# Allegro board F429_PACK_V10A.brd
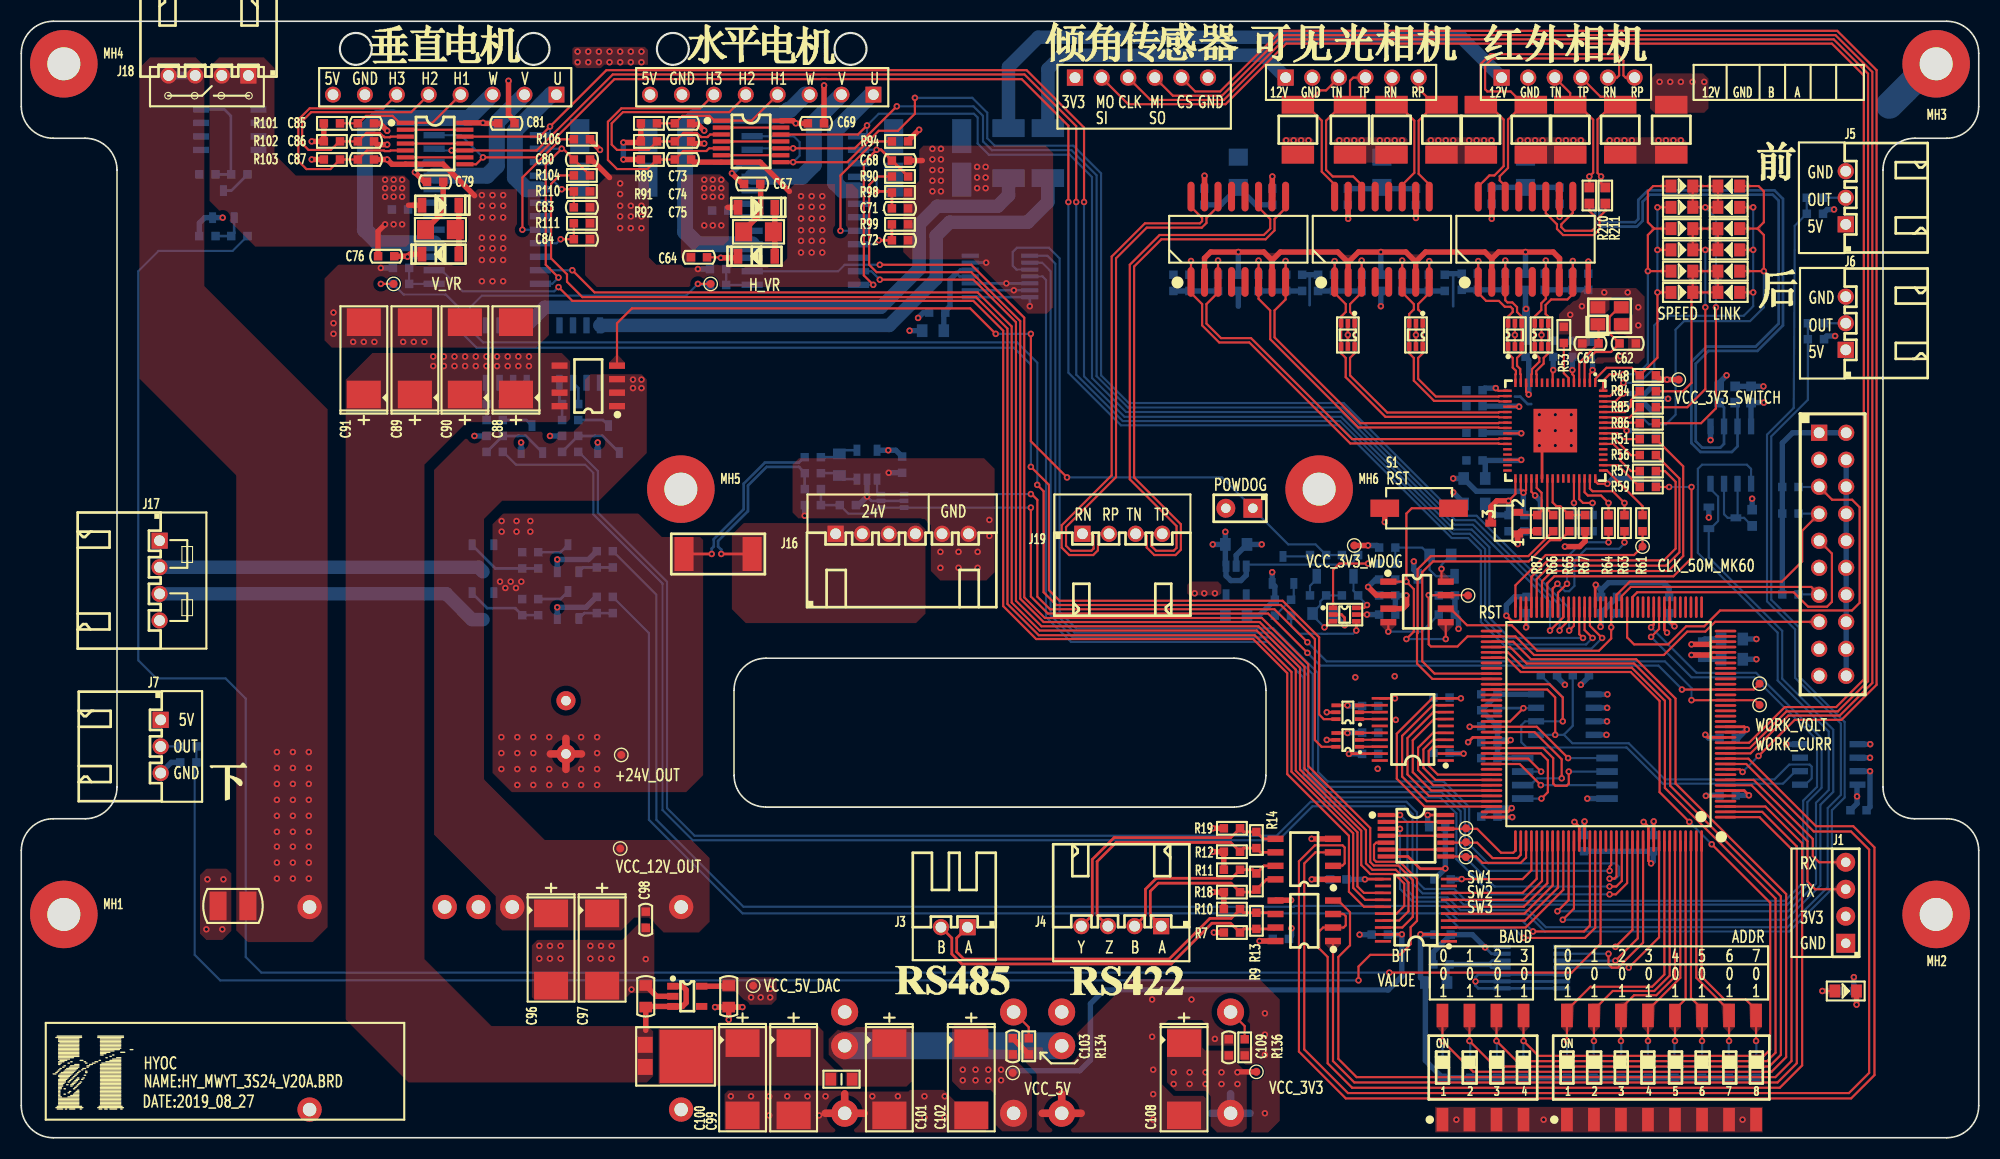
[diagram p0: board, top side]
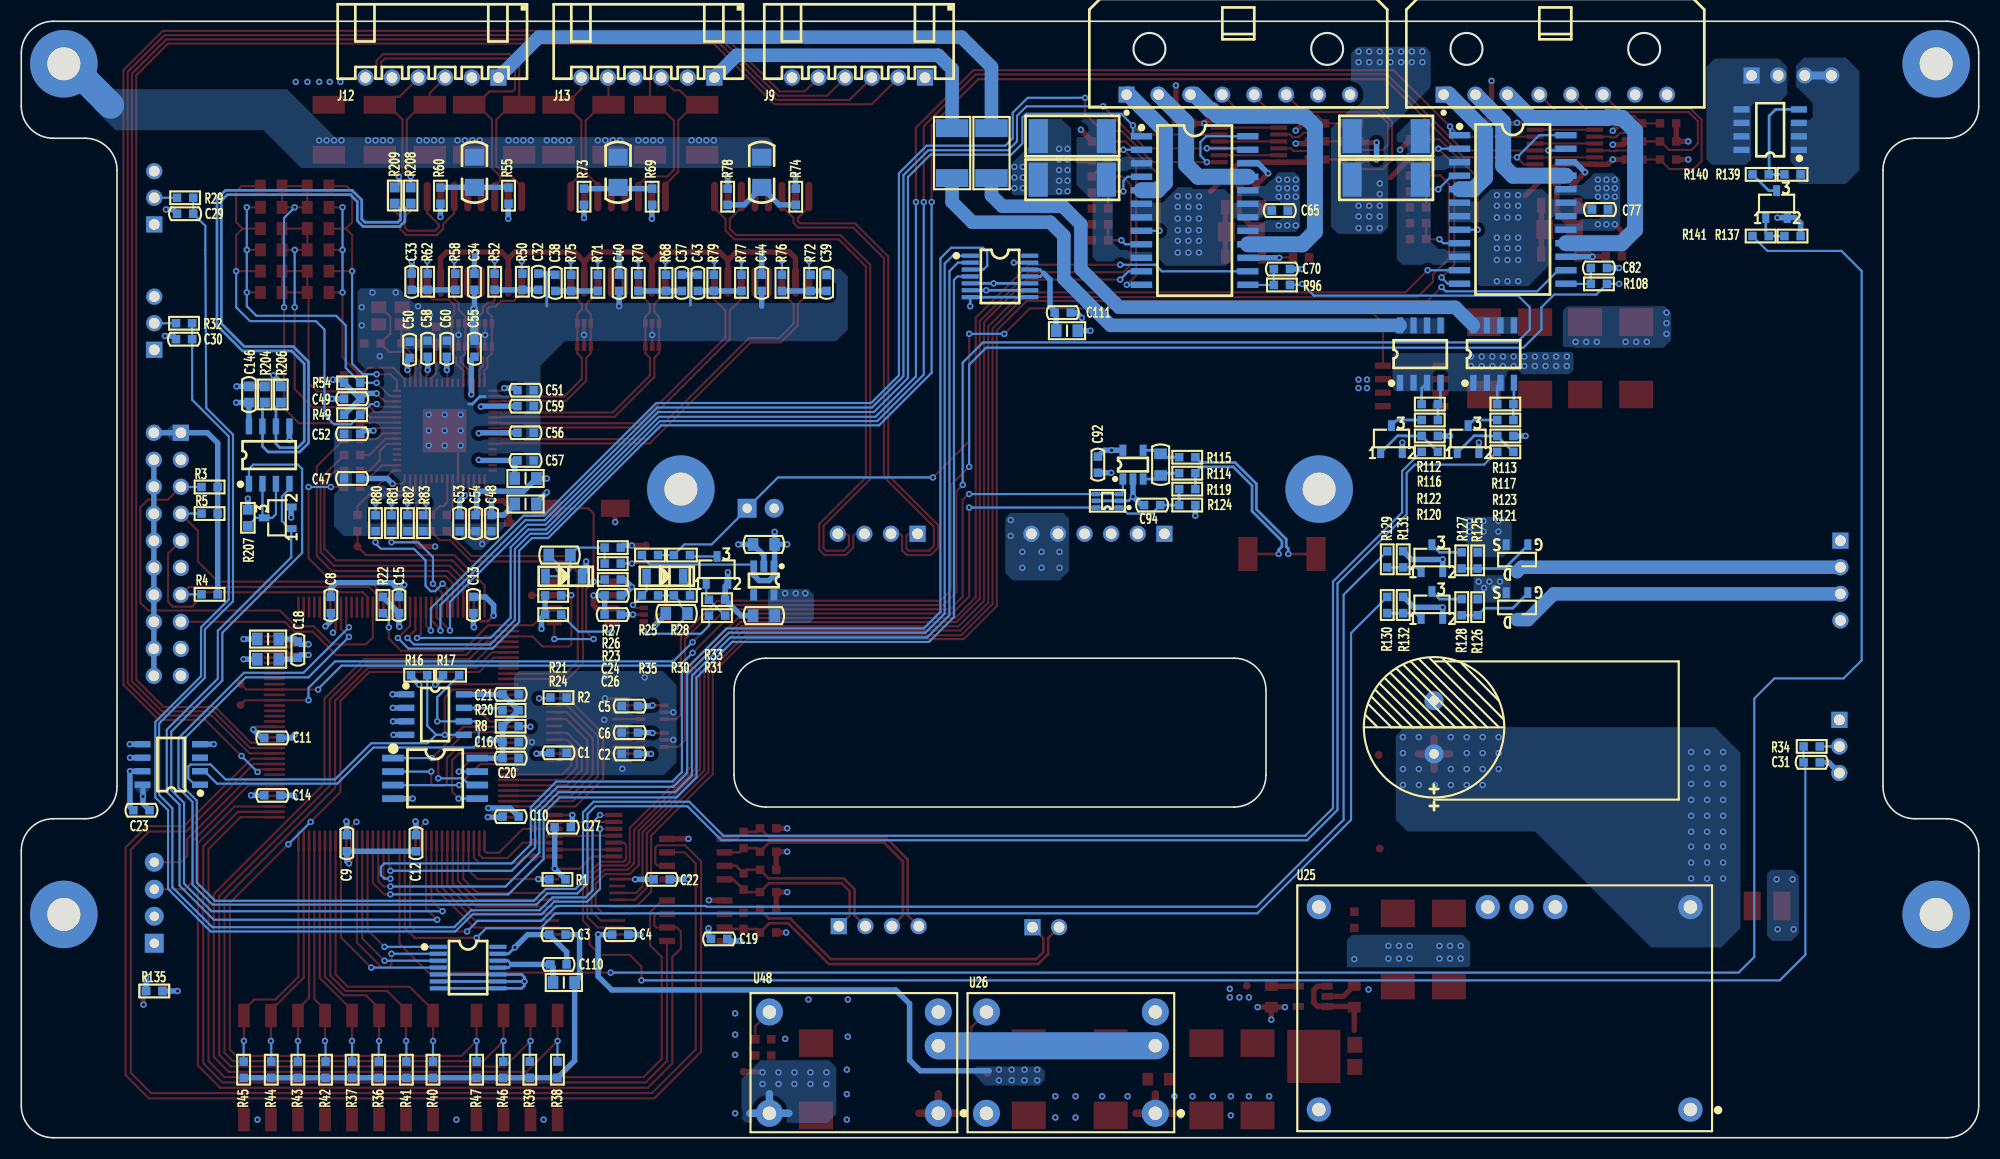
[diagram p1: board, bottom side, seen from below]

Outline 184 x 105 mm; copper layers: TOP, L02-GND, L03-VCC, BOTTOM. Coordinates in mm from the lower left corner of the outline.
Outline path: 0,102 0,97 arc(0.88,94.88) 3,94 6,94 arc(8.12,93.12) 9,91 9,33 arc(8.12,30.88) 6,30 3,30 arc(0.88,29.12) 0,27 0,3 arc(0.88,0.88) 3,0 181,0 arc(183.12,0.88) 184,3 184,27 arc(183.12,29.12) 181,30 178,30 arc(175.88,30.88) 175,33 175,91 arc(175.88,93.12) 178,94 181,94 arc(183.12,94.88) 184,97 184,102 arc(183.12,104.12) 181,105 3,105 arc(0.88,104.12) 0,102 ; 67,42.1 67,34.1 arc(67.88,31.98) 70,31.1 114,31.1 arc(116.12,31.98) 117,34.1 117,42.1 arc(116.12,44.22) 114,45.1 70,45.1 arc(67.88,44.22) 67,42.1

## Design rules (mm)
constraint set DEFAULT: min track width 0.203, pair gap 0.203
net group DIFFPAIR0: nets TXN3_A TXP3_A
net group DP1: nets TXN3 TXP3
net group DP2: nets RS422_A RS422_B
net group DP3: nets RXN1 RXP1
net group DP4: nets PHOTO_RXN PHOTO_RXP
net group DP5: nets TXN2 TXP2
net group DP6: nets FARIR_TXN FARIR_TXP
net group DP7: nets RXN3 RXP3
net group DP8: nets T_RXN T_RXP
net group DP9: nets TXN1 TXP1
net group DP10: nets PHOTO_TXN PHOTO_TXP
net group DP11: nets RXN2 RXP2
net group DP12: nets FARIR_RXN FARIR_RXP
net group DP13: nets RS422_Y RS422_Z
net group DP14: nets T_TXN T_TXP
net group DP15: nets RS485_A RS485_B

## Placement (name value [footprint] x y rotation side)
C1  0.1uF_50V  [C0603]  133.5 36.2 0 bottom
C2  0.1uF_50V  [C0603]  126.8 36.1 180 bottom
C3  0.1uF_50V  [C0603]  133.6 19.1 180 bottom
C4  0.1uF_50V  [C0603]  127.7 19.1 0 bottom
C5  0.1uF_50V  [C0603]  126.8 40.6 180 bottom
C6  0.1uF_50V  [C0603]  126.8 38.1 180 bottom
C8  0.1uF_50V  [C0603]  154.9 50.1 270 bottom
C9  0.1uF_50V  [C0603]  153.4 27.7 90 bottom
C10  0.1uF_50V  [C0603]  138 30.2 0 bottom
C11  0.1uF_50V  [C0603]  160.4 37.6 180 bottom
C12  0.1uF_50V  [C0603]  146.9 27.7 90 bottom
C13  0.1uF_50V  [C0603]  141.5 50.1 270 bottom
C14  0.1uF_50V  [C0603]  160.4 32.2 180 bottom
C15  0.1uF_50V  [C0603]  148.5 50.1 270 bottom
C16  0.1uF_50V  [C0603]  138 37.2 0 bottom
C18  0.1uF_50V  [C0603]  158 45.9 90 bottom
C19  0.1uF_50V  [C0603]  118.4 18.7 180 bottom
C20  0.1uF_50V  [C0603]  138 35.7 0 bottom
C21  0.1uF_50V  [C0603]  138 41.7 0 bottom
C22  0.1uF_50V  [C0603]  123.8 24.3 180 bottom
C23  0.1uF_50V  [C0603]  172.7 30.8 0 bottom
C24  0.1uF_50V  [C0603]  128.4 51 180 bottom
C25  10uF_25V  [C0805]  133.4 54.8 180 bottom
C26  0.1uF_50V  [C0603]  128.4 49.2 0 bottom
C27  0.1uF_50V  [C0603]  133.1 29.2 0 bottom
C28  10uF_25V  [C0805]  122.4 49.3 0 bottom
C29  0.1uF_50V  [C0603]  168.6 86.9 0 bottom
C30  0.1uF_50V  [C0603]  168.7 75.1 0 bottom
C31  0.1uF_50V  [C0603]  15.7 35.3 180 bottom
C32  0.1uF_50V  [C0603]  135.4 80.5 90 bottom
C33  0.1uF_50V  [C0603]  147.3 80.5 90 bottom
C34  0.1uF_50V  [C0603]  141.4 80.5 90 bottom
C36  1nF_2000V  [C1206]  141.4 90.8 270 bottom
C37  0.1uF_50V  [C0603]  121.9 80.4 90 bottom
C38  0.1uF_50V  [C0603]  133.8 80.4 90 bottom
C39  0.1uF_50V  [C0603]  108.3 80.4 90 bottom
C40  0.1uF_50V  [C0603]  127.8 80.4 90 bottom
C42  1nF_2000V  [C1206]  127.9 90.8 270 bottom
C43  0.1uF_50V  [C0603]  120.4 80.4 90 bottom
C44  0.1uF_50V  [C0603]  114.4 80.4 90 bottom
C46  1nF_2000V  [C1206]  114.4 90.8 270 bottom
C47  0.1uF_50V  [C0603]  152.9 62 180 bottom
C48  0.1uF_50V  [C0603]  139.8 57.8 90 bottom
C49  0.1uF_50V  [C0603]  152.9 69.5 180 bottom
C50  0.1uF_50V  [C0603]  147.5 74.1 270 bottom
C51  0.1uF_50V  [C0603]  136.6 70.3 0 bottom
C52  0.1uF_50V  [C0603]  152.9 66.2 180 bottom
C53  0.1uF_50V  [C0603]  142.8 57.8 90 bottom
C54  0.1uF_50V  [C0603]  141.3 57.8 90 bottom
C55  0.1uF_50V  [C0603]  141.4 74.2 270 bottom
C56  0.1uF_50V  [C0603]  136.6 66.3 0 bottom
C57  0.1uF_50V  [C0603]  136.6 63.7 0 bottom
C58  0.1uF_50V  [C0603]  145.8 74.2 270 bottom
C59  0.1uF_50V  [C0603]  136.6 68.8 0 bottom
C60  0.1uF_50V  [C0603]  144 74.2 270 bottom
C61  20pF_50V  [C0603]  147.5 74.7 0 top
C62  20pF_50V  [C0603]  151 74.7 180 top
C64  220nF_50V  [C0603]  63.7 82.8 180 top
C65  0.1uF_50V  [C0603]  65.7 87.2 0 bottom
C66  1000uF_50V  [CAP-5R0-13X27]  51.2 38.6 90 bottom
C67  10nF_50V  [C0603]  68.7 89.7 180 top
C68  10nF_50V  [C0603]  82.6 91.9 0 top
C69  0.1uF_50V  [C0603]  74.7 95.4 180 top
C70  0.1uF_50V  [C0603]  65.5 81.7 180 bottom
C71  1nF_50V  [C0603]  82.6 87.4 0 top
C72  10nF_50V  [C0603]  82.6 84.4 0 top
C73  0.1uF_50V  [C0603]  62.2 95.4 0 top
C74  0.1uF_50V  [C0603]  62.2 93.7 0 top
C75  0.1uF_50V  [C0603]  62.2 92 0 top
C76  220nF_50V  [C0603]  34.3 82.9 180 top
C77  0.1uF_50V  [C0603]  35.6 87.3 0 bottom
C79  10nF_50V  [C0603]  38.9 89.9 180 top
C80  10nF_50V  [C0603]  52.7 92 0 top
C81  0.1uF_50V  [C0603]  45.6 95.4 180 top
C82  0.1uF_50V  [C0603]  35.7 81.8 180 bottom
C83  1nF_50V  [C0603]  52.7 87.5 0 top
C84  10nF_50V  [C0603]  52.7 84.5 0 top
C85  0.1uF_50V  [C0603]  32.4 95.4 0 top
C86  0.1uF_50V  [C0603]  32.4 93.7 0 top
C87  0.1uF_50V  [C0603]  32.4 92 0 top
C88  47uF_25V  [C7343E]  46.5 73.3 270 top
C89  47uF_25V  [C7343E]  37 73.3 270 top
C90  47uF_25V/NI  [C7343E]  41.7 73.3 270 top
C91  47uF_25V/NI  [C7343E]  32.2 73.3 270 top
C92  0.1uF_50V  [C0603]  82.8 63.3 90 bottom
C93  10uF_25V  [C0805]  76.9 63.3 90 bottom
C94  0.1uF_50V  [C0603]  77.7 59.5 0 bottom
C95  2.2uF_100V  [C1210]  19.9 21.8 0 top
C96  47uF_25V  [C7343E]  49.8 17.7 90 top
C97  47uF_25V/NI  [C7343E]  54.6 17.7 90 top
C98  0.1uF_50V  [C0603]  58.7 20.5 270 top
C99  47uF_25V/NI  [C7343E]  72.6 5.5 90 top
C100  47uF_25V/NI  [C7343E]  67.8 5.5 90 top
C101  47uF_25V  [C7343E]  81.6 5.5 90 top
C102  47uF_25V  [C7343E]  89.3 5.5 90 top
C103  0.1uF_50V  [C0603]  93.2 8.6 90 top
C104  10uF_25V  [C0805]  114.2 55.8 0 bottom
C105  10uF_25V  [C0805]  114.2 49.1 0 bottom
C106  10uF_25V  [C0805]  58.7 13.3 90 top
C107  10uF_25V  [C0805]  66.5 13.3 270 top
C108  47uF_25V  [C7343E]  109.3 5.5 90 top
C109  0.1uF_50V  [C0603]  113.5 8.5 90 top
C110  100pF_25V  [C0603]  133.5 16.3 0 bottom
C111  100pF_25V  [C0603]  86.1 77.6 0 bottom
C146  0.1uF_50V  [CC0603]  162.6 69.9 270 bottom
D1  1N4148W-TP  [SOD-123]  134.6 52.8 180 bottom
D2  1N4148W-TP  [SOD-123]  125.1 52.8 180 bottom
D3  LED_GREEN/NI  [LED0805]  156.1 89.5 0 top
D4  LED_GREEN  [LED0805]  156.1 87.5 0 top
D5  LED_GREEN  [LED0805]  156.1 85.5 0 top
D6  LED_GREEN  [LED0805]  156.1 83.5 0 top
D7  LED_GREEN/NI  [LED0805]  156.1 81.5 0 top
D8  LED_GREEN  [LED0805]  156.1 79.5 0 top
D9  LED_YELLOW/NI  [LED0805]  160.5 89.5 180 top
D10  LED_YELLOW  [LED0805]  160.5 87.5 180 top
D11  LED_YELLOW  [LED0805]  160.5 85.5 180 top
D12  LED_YELLOW  [LED0805]  160.5 83.5 180 top
D13  LED_YELLOW/NI  [LED0805]  160.5 81.5 180 top
D14  LED_YELLOW  [LED0805]  160.5 79.5 180 top
D15  1N4148W-TP  [SOD-123]  70.7 82.9 180 top
D16  1N4148W-TP  [SOD-123]  67.5 87.5 0 top
D17  1N4148W-TP  [SOD-123]  41 83.1 180 top
D18  1N4148W-TP  [SOD-123]  37.8 87.7 0 top
D21  V10P10  [TO-227A]  62.5 7.7 270 top
D22  LED_GREEN  [LED0805]  171.5 13.8 0 top
F1  mSMD200-16V  [FUSE1812]  96.5 92.6 90 bottom
F2  mSMD200-16V  [FUSE1812]  92.8 92.6 90 bottom
FB1  FBMH4532HM132-T/NI  [L1812]  155.1 94.8 90 top
GDT1  4532-091-LF  [SMD4532]  141.9 94.8 270 top
GDT2  4532-091-LF  [SMD4532]  137.2 94.8 270 top
GDT3  4532-091-LF  [SMD4532]  150.3 94.8 90 top
GDT4  4532-091-LF  [SMD4532]  145.6 94.8 90 top
GDT5  4532-091-LF  [SMD4532]  124.9 94.8 270 top
GDT6  4532-091-LF  [SMD4532]  120 94.8 270 top
GDT7  4532-091-LF  [SMD4532]  128.8 94.8 90 top
GDT8  4532-091-LF  [SMD4532]  133.5 94.8 90 top
J1  HEADER4X1_2R54/NI  [HEADER4X1_2R54]  171.5 22.1 90 top
J2  -  [HEADER10X2_2R54]  169 66.3 270 top
J3  -  [XHB-2AW]  87.7 19.8 180 top
J4  -  [XHB-4AW]  103.4 19.9 180 top
J5  -  [XHB-3AW]  171.5 88.4 90 top
J6  -  [XHB-3AW]  171.5 76.6 90 top
J7  -  [XHB-3AW]  13.1 36.8 270 top
J8  -  [HEADER2X1_2R54]  114.5 59.2 180 top
J9  -  [XHB-6AW]  105.3 99.7 0 bottom
J12  -  [XHB-6AW]  145.4 99.7 0 bottom
J13  -  [XHB-6AW]  125.1 99.7 0 bottom
J14  -  [43650-0800]  69.6 98.1 90 bottom
J15  -  [43650-0800]  39.8 98.1 90 bottom
J16  -  [XHB-6AW]  82.8 56.8 0 top
J17  -  [XHB-4AW]  13 52.4 270 top
J18  -  [XHB-4AW]  17.6 99.9 180 top
J19  -  [XHB-4AW]  103.5 56.8 0 top
L1  BLM21PG600  [L0805]  160.8 45 180 bottom
L2  BLM21PG600  [L0805]  160.8 46.9 180 bottom
L3  BLM21PG600  [L0805]  136.6 62 0 bottom
L6  BLM21PG600  [L0805]  77.1 5.5 0 top
L7  BLM21PG600  [L0805]  136.6 59.6 0 bottom
L8  BLM21PG600  [L0805]  133 14.6 180 bottom
L9  BLM21PG600  [L0805]  85.7 75.9 180 bottom
MH1  Hold-M3/NI  [HOLD6R35X3R10]  4 21 0 top
MH2  Hold-M3/NI  [HOLD6R35X3R10]  180 21 0 top
MH3  Hold-M3/NI  [HOLD6R35X3R10]  180 101 0 top
MH4  Hold-M3/NI  [HOLD6R35X3R10]  4 101 0 top
MH5  Hold-M3/NI  [HOLD6R35X3R10]  62 61 0 top
MH6  Hold-M3/NI  [HOLD6R35X3R10]  122 61 0 top
NOREF  -  []  0 0 0 top
NOREF#2  -  []  0 0 90 top
NOREF#3  -  []  0 0 0 top
NOREF#4  -  []  0 0 90 top
NOREF#5  -  []  0 0 90 top
NOREF#6  -  []  0 0 90 top
NOREF#7  -  []  0 0 90 top
NOREF#8  -  []  0 0 0 top
NOREF#9  -  []  0 0 90 top
NOREF#10  -  []  0 0 90 top
NOREF#11  -  []  0 0 0 top
NOREF#12  -  []  0 0 90 top
NOREF#13  -  []  0 0 0 top
NOREF#14  -  []  -0.21 0 0 top
NOREF#15  -  []  0 0 0 top
NOREF#16  -  []  0 0 0 top
Q1  IRF9321TRPbF  [SOIC8]  53.3 70.7 90 top
Q2  2N7002  [SOT23-3]  118.6 53.4 180 bottom
Q3  IRF9321TRPbF  [SOIC8]  52.5 73.7 180 bottom
Q4  IRF9321TRPbF  [SOIC8]  45.6 73.7 180 bottom
Q5  2N7002  [SOT23-3]  55.2 65.7 180 bottom
Q6  2N7002  [SOT23-3]  48 65.7 180 bottom
Q7  SI2347DS-T1-GE3  [SOT23_GSD]  43.4 54.5 0 bottom
Q8  SI2347DS-T1-GE3  [SOT23_GSD]  43.4 50 0 bottom
Q11  2N7002  [SOT23-3]  19 87.8 180 bottom
Q12  IRF9321TRPbF  [SOIC8]  19.6 94.8 90 bottom
Q13  2N7002  [SOT23-3]  51.4 54.5 180 bottom
Q14  2N7002  [SOT23-3]  51.4 50.1 180 bottom
Q24  2N7002  [SOT23-3]  159.9 58.3 90 bottom
R1  100K  [R0603]  133.6 24.3 180 bottom
R2  100K  [R0603]  133.5 41.4 180 bottom
R3  10K  [R0603]  166.3 61.2 0 bottom
R4  10K  [R0603]  166.3 51.1 0 bottom
R5  10K  [R0603]  166.3 58.7 0 bottom
R7  4.7K  [R0603]  113.8 19.3 0 top
R8  10K  [R0603]  138 38.7 180 bottom
R9  120R/NI  [R0603]  116.1 20.4 90 top
R10  4.7K  [R0603]  113.8 21.5 180 top
R11  4.7K  [R0603]  113.8 25.2 0 top
R12  4.7K  [R0603]  113.8 26.9 0 top
R13  120R/NI  [R0603]  116.1 24.1 270 top
R14  120R/NI  [R0603]  116.1 28 90 top
R16  4.7K  [R0603]  146.6 43.5 0 bottom
R17  4.7K  [R0603]  143.6 43.5 0 bottom
R18  4.7K  [R0603]  113.8 23.1 180 top
R19  4.7K  [R0603]  113.8 29.1 180 top
R20  10K  [R0603]  138 40.2 180 bottom
R21  10K  [R0603]  134 51 180 bottom
R22  10K  [R0603]  150 50.1 270 bottom
R23  10K  [R0603]  128.4 52.5 0 bottom
R24  100K  [R0603]  134 49.2 180 bottom
R25  10K  [R0603]  124.9 54.8 180 bottom
R26  1K  [R0603]  128.4 54 0 bottom
R27  267K  [R0603]  128.4 55.5 0 bottom
R28  4.7K  [R0603]  121.9 54.8 180 bottom
R29  1K  [R0603]  168.6 88.4 180 bottom
R30  4.7K  [R0603]  121.9 51 0 bottom
R31  1K  [R0603]  118.6 49.1 180 bottom
R32  1K  [R0603]  168.7 76.6 180 bottom
R33  47K  [R0603]  118.6 50.6 0 bottom
R34  1K  [R0603]  15.7 36.8 0 bottom
R35  1M  [R0603]  124.9 51 180 bottom
R36  10K  [R0603]  150.4 6.4 90 bottom
R37  10K  [R0603]  152.9 6.4 90 bottom
R38  10K  [R0603]  133.6 6.4 90 bottom
R39  10K  [R0603]  136.2 6.4 90 bottom
R40  10K  [R0603]  145.3 6.4 90 bottom
R41  10K  [R0603]  147.8 6.4 90 bottom
R42  10K  [R0603]  155.4 6.4 90 bottom
R43  10K  [R0603]  158 6.4 90 bottom
R44  10K  [R0603]  160.5 6.4 90 bottom
R45  10K  [R0603]  163.1 6.4 90 bottom
R46  10K  [R0603]  138.7 6.4 90 bottom
R47  10K  [R0603]  141.2 6.4 90 bottom
R48  4.7K  [R0603]  152.9 71.7 180 top
R49  4.7K  [R0603]  152.9 68 0 bottom
R50  49.9R  [R0603]  136.9 80.5 90 bottom
R51  20R  [R0603]  152.9 65.7 0 top
R52  49.9R  [R0603]  139.5 80.5 90 bottom
R53  4.99K  [R0603]  145 75.5 270 top
R54  4.7K/NI  [R0603]  152.9 71 0 bottom
R55  75R  [R0603]  138.2 88.6 90 bottom
R56  20R  [R0603]  152.9 64.2 0 top
R57  20R  [R0603]  152.9 62.7 0 top
R58  49.9R  [R0603]  143.2 80.5 90 bottom
R59  20R  [R0603]  152.9 61.2 0 top
R60  75R  [R0603]  144.6 88.6 90 bottom
R61  20R  [R0603]  152.4 57.8 270 top
R62  49.9R  [R0603]  145.8 80.5 90 bottom
R63  20R  [R0603]  150.7 57.8 270 top
R64  20R  [R0603]  149.2 57.8 270 top
R65  20R  [R0603]  145.5 57.8 270 top
R66  20R  [R0603]  144 57.8 270 top
R67  4.7K  [R0603]  147 57.8 270 top
R68  49.9R  [R0603]  123.4 80.4 90 bottom
R69  75R  [R0603]  124.7 88.5 90 bottom
R70  49.9R  [R0603]  126 80.4 90 bottom
R71  49.9R  [R0603]  129.8 80.4 90 bottom
R72  49.9R  [R0603]  109.8 80.4 90 bottom
R73  75R  [R0603]  131.1 88.5 90 bottom
R74  75R  [R0603]  111.2 88.5 270 bottom
R75  49.9R  [R0603]  132.3 80.4 90 bottom
R76  49.9R  [R0603]  112.5 80.4 90 bottom
R77  49.9R  [R0603]  116.3 80.4 90 bottom
R78  75R  [R0603]  117.6 88.5 270 bottom
R79  49.9R  [R0603]  118.9 80.4 90 bottom
R80  4.7K  [R0603]  150.7 57.8 270 bottom
R81  4.7K/NI  [R0603]  149.2 57.8 270 bottom
R82  4.7K  [R0603]  147.7 57.8 270 bottom
R83  4.7K  [R0603]  146.2 57.8 270 bottom
R84  4.7K  [R0603]  152.9 70.2 0 top
R85  4.7K  [R0603]  152.9 68.7 0 top
R86  4.7K  [R0603]  152.9 67.2 0 top
R87  100K  [R0603]  142.5 57.8 90 top
R88  100R  [R1206]  69.3 85.2 0 top
R89  10K  [R0603]  59 95.4 0 top
R90  1K  [R0603]  82.6 90.4 0 top
R91  10K  [R0603]  59 93.7 0 top
R92  10K  [R0603]  59 92 0 top
R93  0R47  [R2512]  85.2 90.1 0 bottom
R94  1K  [R0603]  82.6 93.7 180 top
R95  0R47  [R2512]  85.2 94.2 0 bottom
R96  1K  [R0603]  65.5 80.2 0 bottom
R98  33K  [R0603]  82.6 88.9 0 top
R99  47K  [R0603]  82.6 85.9 0 top
R100  100R  [R1206]  39.4 85.4 0 top
R101  10K  [R0603]  29.2 95.4 0 top
R102  10K  [R0603]  29.2 93.7 0 top
R103  10K  [R0603]  29.2 92 0 top
R104  1K  [R0603]  52.7 90.5 0 top
R105  0R47  [R2512]  55.7 90.1 0 bottom
R106  1K  [R0603]  52.7 93.9 180 top
R107  0R47  [R2512]  55.7 94.2 0 bottom
R108  1K  [R0603]  35.7 80.3 0 bottom
R110  33K  [R0603]  52.7 89 0 top
R111  47K  [R0603]  52.7 86 0 top
R112  10K  [R0603]  51.6 69 0 bottom
R113  10K  [R0603]  44.5 69 0 bottom
R114  10R  [R0603]  74.4 62.5 180 bottom
R115  10R  [R0603]  74.4 64 180 bottom
R116  1K  [R0603]  51.6 67.5 180 bottom
R117  1K  [R0603]  44.5 67.5 180 bottom
R118  0R005  [R2512]  65.5 54.9 0 top
R119  47K  [R0603]  74.4 61 180 bottom
R120  1K  [R0603]  51.6 64.5 0 bottom
R121  1K  [R0603]  44.5 64.5 0 bottom
R122  47K  [R0603]  51.6 66 0 bottom
R123  47K  [R0603]  44.5 66 0 bottom
R124  4.7K  [R0603]  74.4 59.5 0 bottom
R125  10K  [R0603]  47.1 54.3 90 bottom
R126  10K  [R0603]  47.1 49.9 90 bottom
R127  10K  [R0603]  48.6 54.3 270 bottom
R128  10K  [R0603]  48.6 49.9 270 bottom
R129  1K  [R0603]  55.6 54.4 90 bottom
R130  1K  [R0603]  55.6 50.1 90 bottom
R131  47K  [R0603]  54.1 54.4 270 bottom
R132  47K  [R0603]  54.1 50.1 270 bottom
R134  100R  [R0603]  94.7 8.6 90 top
R135  10K  [R0603]  171.5 13.8 0 bottom
R136  9.31K  [R0603]  115 8.5 90 top
R137  47K  [R0603]  17.5 84.8 0 bottom
R139  10K  [R0603]  17.5 90.6 0 bottom
R140  10K  [R0603]  20.5 90.6 0 bottom
R141  1K  [R0603]  20.5 84.8 180 bottom
R204  4.7K  [RC0603]  161.1 69.9 270 bottom
R206  4.7K  [RC0603]  159.6 69.9 90 bottom
R207  4.7K  [RC0603]  162.7 58.3 270 bottom
R208  0R  [RC0603]  147.4 88.61 90 bottom
R209  0R  [RC0603]  148.9 88.61 90 bottom
R210  0R/NI  [RC0603]  147.4 88.61 90 top
R211  0R/NI  [RC0603]  148.9 88.61 90 top
S1  KEY  [KEY_SMD_2]  131.4 59.2 0 top
SW1  -  [DM-08-V]  149.1 6.6 0 top
SW2  -  [DM-04-V]  137.4 6.6 0 top
T1  HR661655E  [MAG-100M-1]  141.4 84.5 90 top
T2  HR661655E  [MAG-100M-1]  127.9 84.5 90 top
T3  HR661655E  [MAG-100M-1]  114.4 84.5 90 top
TP1  TestPoint/NI  [TP-0R75]  64.8 80.3 0 top
TP2  TestPoint/NI  [TP-0R75]  35 80.3 0 top
TP3  TestPoint/NI  [TP-0R75]  136 51 0 top
TP5  TestPoint/NI  [TP-0R75]  152.4 55.6 0 top
TP6  TestPoint/NI  [TP-0R75]  135.8 26.4 0 top
TP7  TestPoint/NI  [TP-0R75]  135.8 27.8 0 top
TP8  TestPoint/NI  [TP-0R75]  135.8 29.1 0 top
TP9  TestPoint/NI  [TP-0R75]  163.4 40.7 0 top
TP10  TestPoint/NI  [TP-0R75]  163.4 42.7 0 top
TP11  TestPoint/NI  [TP-0R75]  56.3 27.2 0 top
TP12  TestPoint/NI  [TP-0R75]  56.4 36 0 top
TP13  TestPoint/NI  [TP-0R75]  93.2 6.1 0 top
TP14  TestPoint/NI  [TP-0R75]  125.3 55.7 0 top
TP15  TestPoint/NI  [TP-0R75]  68.8 14.3 0 top
TP16  TestPoint/NI  [TP-0R75]  155.8 71.3 0 top
TP17  TestPoint/NI  [TP-0R75]  116.1 6.2 0 top
U1  TXB0108PWR  [TSSOP20]  131.1 21.4 90 top
U2  MK60DN512VLQ10  [LQFP-144]  149.2 38.9 180 top
U3  TXB0108PWR  [TSSOP20]  130.8 38.4 90 top
U4  DAC7311IDCKT  [R-PDSO-G6]  124.7 37.4 90 top
U5  DAC7311IDCKT  [R-PDSO-G6]  124.7 40 90 top
U7  W25Q128FVSIG  [SOIC-8_208]  145.1 33.8 270 bottom
U8  MAX3485ESA  [SOIC8]  120.6 20.4 90 top
U9  MAX3488EESA  [SOIC8]  120.6 26.2 90 top
U10  MB85RC64PNF-G-JNERE1  [SOIC8]  145.1 39.8 270 bottom
U11  TMP75AIDR  [SOIC8]  169.9 35.1 90 bottom
U12  SP706REN  [SOIC8]  131.2 50.4 270 top
U13  74LVC2G14GW  [SOT363]  124.4 49.2 270 top
U14  SN74LVC14APW  [TSSOP14]  131.1 28.4 270 top
U15  88E6071-xx-NNC2I000  [QFN-64]  144.2 66.5 180 top
U16  TPD4E1U06DCKR  [SOT363]  142.9 75.5 0 top
U17  TPD4E1U06DCKR  [SOT363]  131.1 75.5 180 top
U18  TPD4E1U06DCKR  [SOT363]  124.7 75.5 180 top
U19  L6235D  [SOIC24]  73.7 87.2 180 bottom
U20  SN74LVC14APW  [TSSOP14]  68.6 93.7 270 top
U21  L6235D  [SOIC24]  43.8 87.3 180 bottom
U22  SN74LVC14APW  [TSSOP14]  38.9 93.5 270 top
U23  INA195AIDBVT  [SOT23-5]  79.5 63.3 180 bottom
U25  HPSD12V5A  [PTN78020H]  27.1 21.7 0 bottom
U26  HPSD1233I2A  [PTH05000WAH]  77.4 2.3 0 bottom
U27  SPX3819M5-L-3-3/TR  [SOT23-5]  114.2 52.4 0 bottom
U28  SPX3819M5-L-5/TR  [SOT23-5]  62.6 13.3 270 top
U45  MAX3485ESA  [SOIC8]  160.7 64.2 180 bottom
U47  MAX809SN293D3T1G  [SOT23_123]  139.4 57.8 90 top
U48  HPSD1233I2A  [PTH05000WAH]  97.8 2.3 0 bottom
U54  AS5047D  [TSSOP14]  142 16 270 bottom
U55  AS5047D  [TSSOP14]  92 81 270 bottom
U56  TPD4E1U06DCKR  [SOT363]  140.4 75.5 0 top
U57  TPD4E1U06DCKR  [SOT363]  81.9 59.9 90 bottom
X1  X322525MSB4SI  [X-4P-3R2X2R5-SMD]  149.3 77.3 0 top

## Library data of the parts
C1-C6 C27 C29-C31 C36 C42 C46 C92 C110 C111 = CAP NP_2
C8-C16 C18 C20 C21 C23 C25 C26 C28 C32-C34 C37-C40 C43 C44 C47-C62 C69 C73-C75 C81 C85-C87 C93 C94 C98 C103-C107 C109 = CAP NP_3
C19 C22 C24 C146 = CAP NP
C64 C65 C67 C68 C70-C72 C76 C77 C79 C80 C82-C84 = CAP NP_0
C66 = CAPT_100UF_3528_6r3V_10%_LXXXX
C88-C91 C96 C97 C99-C102 C108 = TMP_154254
C95 = CAP_0
D1 D2 D15-D18 = DIODE13_7
D3-D14 D22 = LED_4
D21 = DIODE13_6
F1 F2 = FUSE
FB1 = FB
GDT1-GDT8 = BA301N
J1 J4 J17-J19 = CONN RCPT 4
J2 = CON20_0
J3 = CONN RCPT 2
J5-J7 = CONN RCPT 3
J8 = HDR_1
J9 J12 J13 J16 = CONN RCPT 6
J14 J15 = 43650-0801
L1-L3 L6 L7 = IND_BEAD_0805_600OHM_1
L8 L9 = IND_BEAD_0805_600OHM_200MA
MH1-MH6 = Hold_1
Q1 Q3 Q4 Q12 = SI4497DY-T1-GE3
Q2 Q5-Q8 Q11 Q13 Q14 Q24 = MOS-P_0
R1-R5 R7-R14 R16-R96 R98-R108 R110-R132 R134-R137 R139-R141 R204 R206-R211 = R_Generic
S1 = SW PUSHBUTTON_0
SW1 = SW DIP-4_1
SW2 = SW DIP-4_0
T1-T3 = H1102_0
TP1-TP3 TP5-TP17 = TestPoint
U1 U3 = TXB0108PWR_1: Tolerance: ***; User Part Number: ***
U2 = K60_0
U4 U5 = DAC7311IDCKT_2
U7 = CEIT_C5000_0
U8 U45 = MAX3485ESA
U9 = MAX3485ESA_0
U10 = MB85RC64PNF-G-JNERE1
U11 = TMP75AIDR_0
U12 = SP706T_1
U13 = SN74AUP1G32YZPR_1
U14 U20 U22 = SN74LVC14APW
U15 = 88E6071-xx-NNC2I000
U16-U18 U56 U57 = TPD4E1U06DBVR
U19 U21 = L6235D_1
U23 = 74AHC1G08_1
U25 = PTN78020H_0
U26 U48 = PTH05000_1
U27 U28 = SPX3819M5-L-1-2
U47 = MAX809_0
U54 U55 = AS5048A-HTSP
X1 = TSX-3225
